# Altium PCB PowerSupply-Motherboard.PcbDoc (part 1 of 2) (continued)
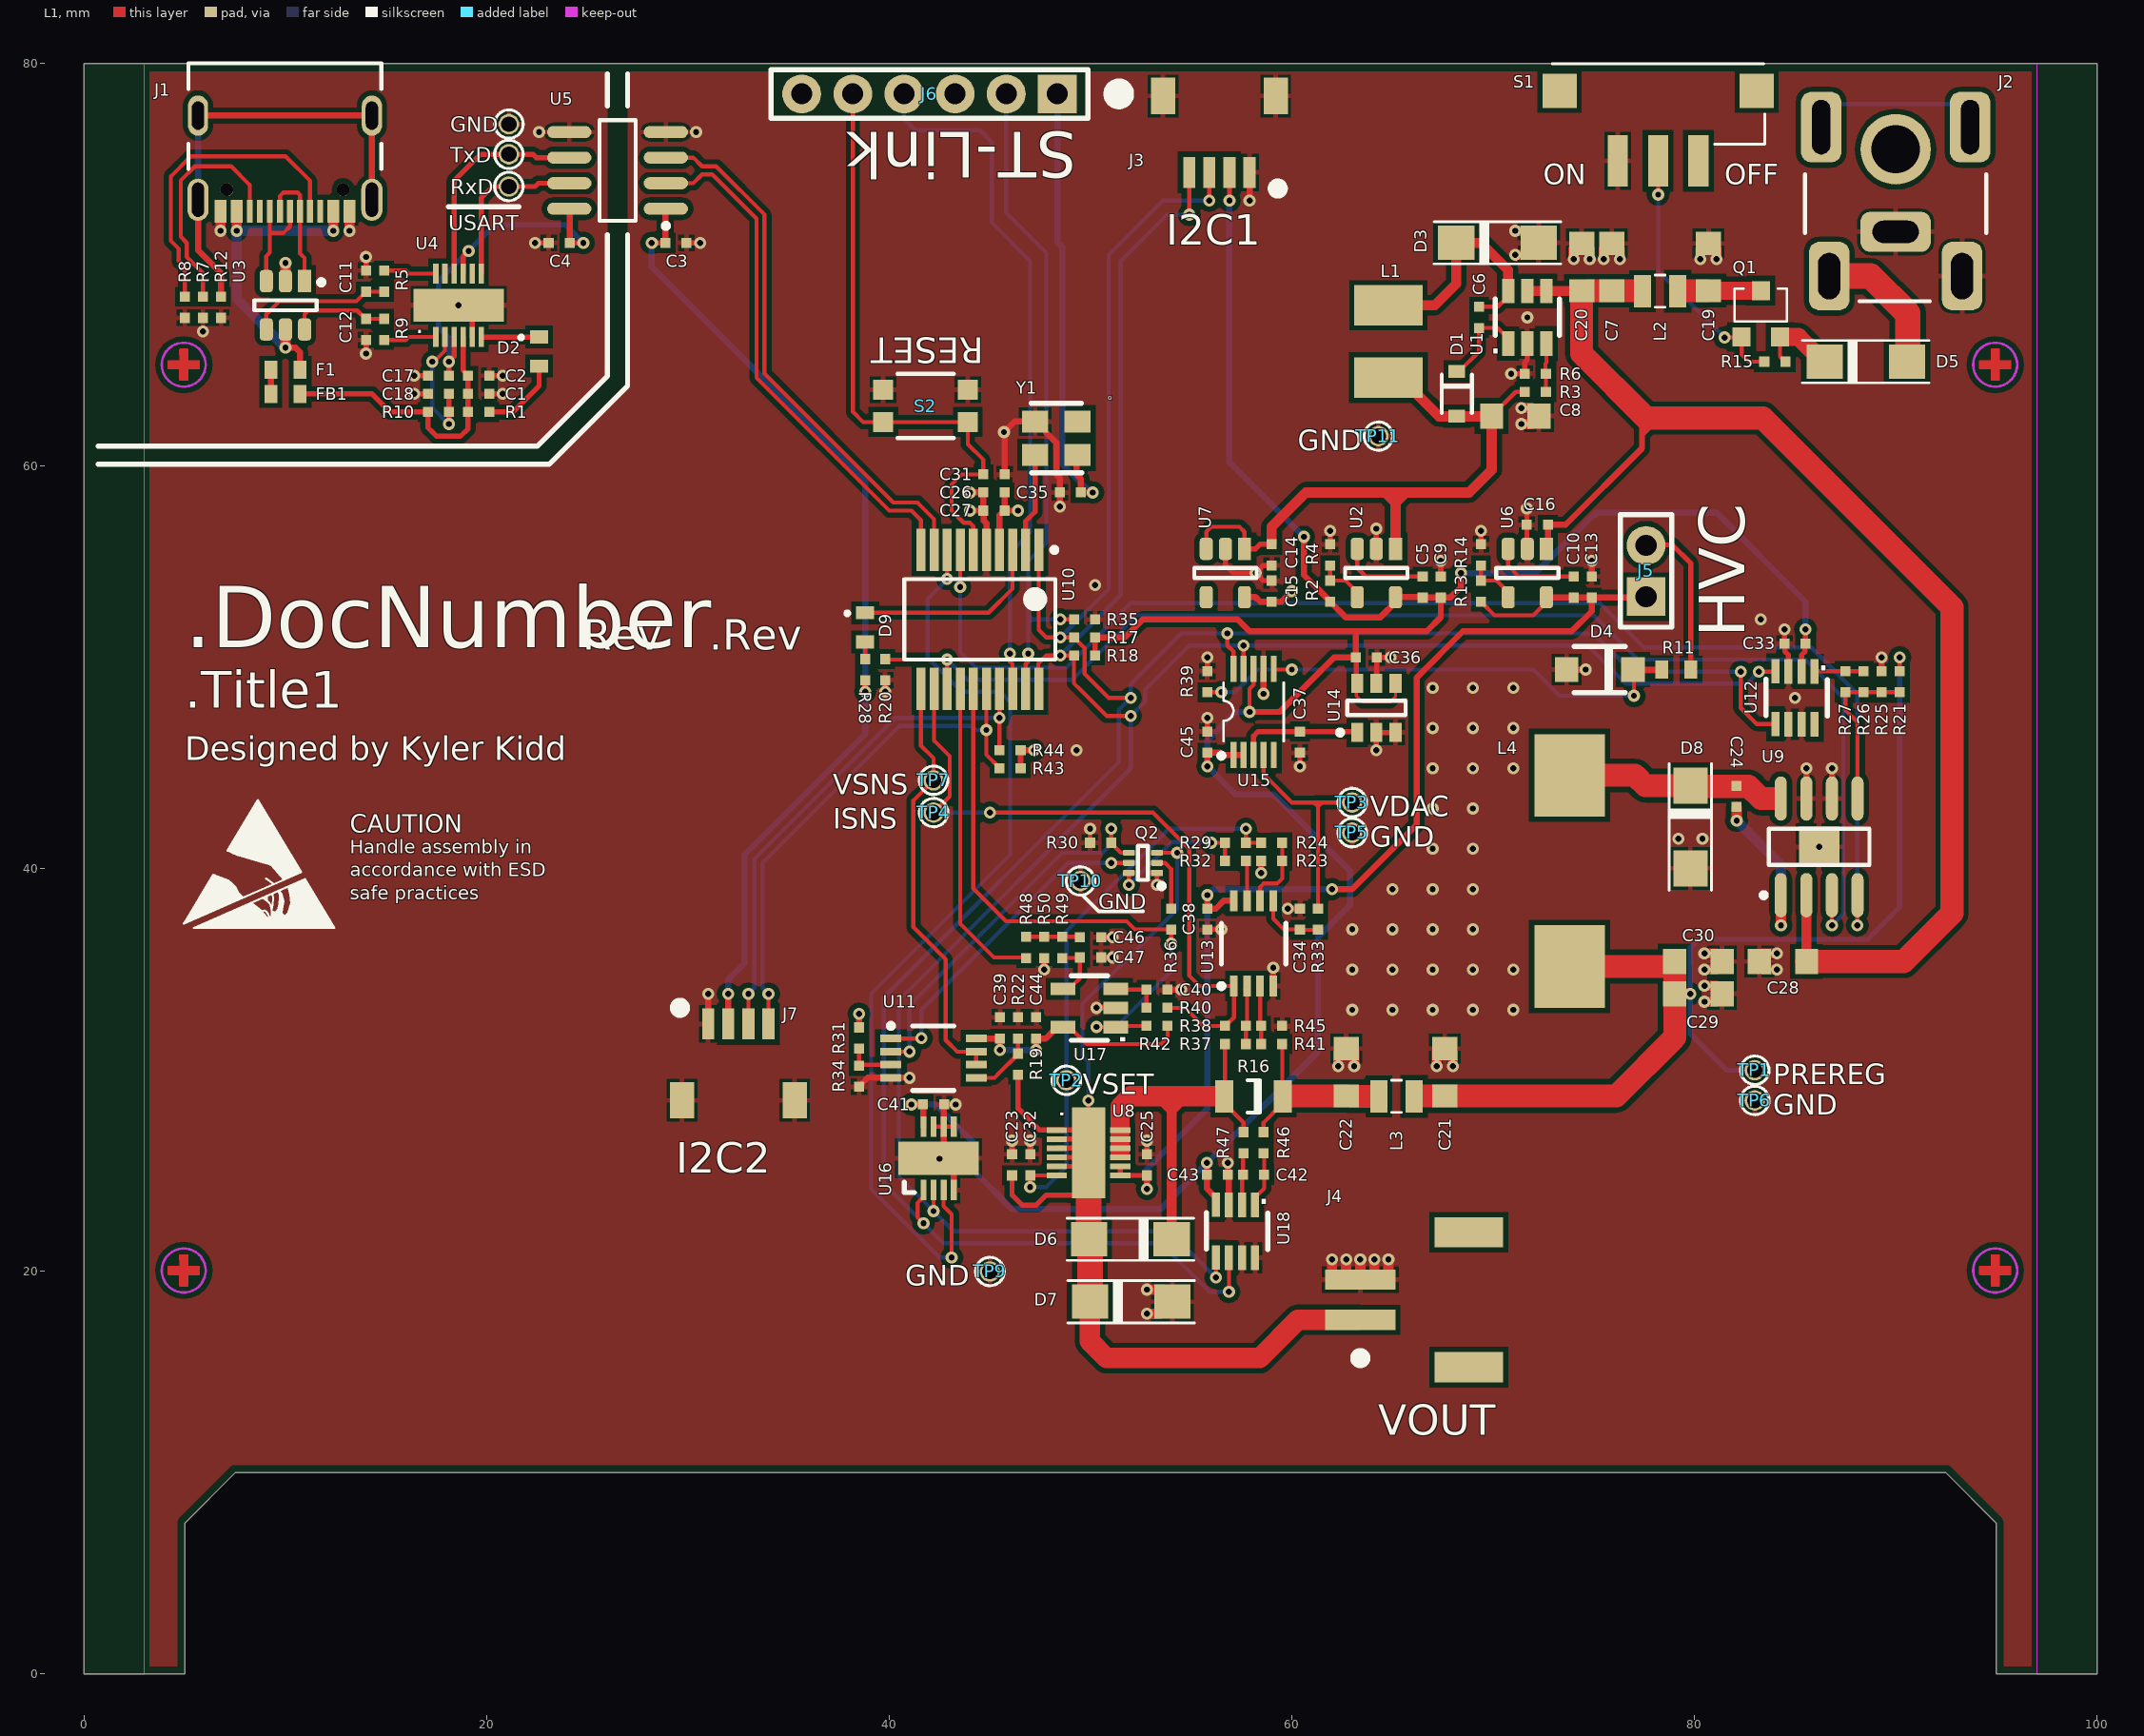
[diagram p0: L1 view]
## Footprints (in the part's own frame and the unit in brackets; to place one, negate y for a bottom-side part, rotate by r counter-clockwise, add the part's x,y. Pads: shape width x height; smd on the part's side, far side on the other; paste and mask are expansions set on the pad) (continued)
TSOT-23-6#2 [mm]
  rect 0.95x0.6 smd mask+0.038: 1(-1.225,0.95) 2(-1.225,0) 3(-1.225,-0.95) 4(1.225,-0.95) 5(1.225,0) 6(1.225,0.95)
  silkscreen extent -1.35,-1.45 0.35,1.92, body extent -1.4,-1.5 1.4,1.5, height 0.86
TSSOP-20 [mm] "Plastic Small Outline"
  rect 2.1x0.45 smd mask+0.038: 1(-3.45,2.925) 2(-3.45,2.275) 3(-3.45,1.625) 4(-3.45,0.975) 5(-3.45,0.325) 6(-3.45,-0.325) 7(-3.45,-0.975) 8(-3.45,-1.625) 9(-3.45,-2.275) 10(-3.45,-2.925) 11(3.45,-2.925) 12(3.45,-2.275) 13(3.45,-1.625) 14(3.45,-0.975) 15(3.45,-0.325) 16(3.45,0.325) 17(3.45,0.975) 18(3.45,1.625) 19(3.45,2.275) 20(3.45,2.925)
  silkscreen extent -3.57,-3.75 2,3.83, body extent -3.95,-3.66 3.95,3.67, height 1.98
TSW-102-xx-L-S [mil] "CONN MALE HEADER 2 POS .100\" T/H GOLD UNSHROUDED"
  rect 76x76 hole 41 mask+1.5: 1(-50,0)
  round 76 hole 41 mask+1.5: 2(50,0)
  silkscreen extent -110,-50 110,50, body extent -100,-50 100,50, height 330
USB4105-GF-A [mm]
  oval 1.05x2.1 hole 0.6 slot 1.7 at 90 deg: 1(-4.295,2.758) 4(4.345,2.758)
  oval 1x2 hole 0.6 slot 1.4 at 90 deg: 2(-4.295,-1.422) 3(4.345,-1.422)
  rect 0.6x1.15 smd: A1_B12(-3.175,3.333) A4_B9(-2.375,3.333) B1_A12(3.225,3.333) B4_A9(2.425,3.333)
  rect 0.3x1.15 smd: A5(-1.225,3.333) A6(-0.225,3.333) A7(0.275,3.333) A8(1.275,3.333) B5(1.775,3.333) B6(0.775,3.333) B7(-0.725,3.333) B8(-1.725,3.333)
  round 0.65 hole 0.65 unplated: ""(-2.865,2.258) ""(2.915,2.258)
  silkscreen extent -4.76,-4.02 4.82,1.23, body extent -4.79,-3.86 4.79,3.86, height 3.31
WURTH_WE-LHMI [mm] "Shield power inductor"
  rect 4.1x3.5 smd mask+0.038: 1(-4.75,0) 2(4.75,0)
  body extent -4.03,-4.06 3.97,3.94, height 4
XFL4020-xxxMEx [mm] "Fixed Inductor 4x4x2mm"
  rect 2x3.4 smd mask+0.038: 1(-1.8,0) 2(1.8,0)
  body extent -2.15,-2.15 2.15,2.15, height 2.08

## Part data
C1 C9 C13 C14 C15 C16 C23 C25 C26 C36: library part CAP, "Multilayer Ceramic Capacitors MLCC - SMD/SMT 2.2UF 25V 10% 0402", Manufacturer="Murata Electronics", Part Number=GRM155R61E225KE11D, Voltage=25V
  C1 C26: ClassName="STM32 MCU"
  C9: ClassName="5.0V Regulator"
  C13 C16: ClassName="Analog VDD"
  C14 C15: ClassName="3.3V Regulator"
  C23 C25 C36: ClassName="Power Supply Output and Control"
C2 C3 C4 C17 C18 C24 C27 C31 C33 C37 C38 C39 C40 C41 C42 C43 C44 C45 C46 C47: library part CAP, "CAP CER 0.1UF 50V X7R 0402", Manufacturer="Taiyo Yuden", Part Number=UMK105B7104KVHF, Voltage=50V
  C2 C3 C4 C17 C18: ClassName="USB to UART PHY"
  C24 C37 C38 C39 C40 C42 C43 C44 C45 C46 C47: ClassName="Power Supply Output and Control"
  C27 C31 C41: ClassName="STM32 MCU"
  C33: ClassName="Output Preregulator"
C5 C6 C10 C32 C35: library part CAP, "CAP CER 0.01UF 100V X7R 0402", Manufacturer="Taiyo Yuden", Part Number=HMR105B7103MV-F, Voltage=100V
  C5: ClassName="5.0V Regulator"
  C6: ClassName="System Power Preregulator"
  C10: ClassName="Analog VDD"
  C32: ClassName="Power Supply Output and Control"
  C35: ClassName="STM32 MCU"
C7 C8 C19 C20 C21 C22 C28 C29 C30: library part CAP, "CAP CER 22UF 25V X5R 0805", Manufacturer="Samsung Electro-Mechanics", Part Number=CL21A226MAYNNNE, Voltage=25V
  C7: ClassName="System Power Preregulator"
  C8: ClassName="5.0V Regulator"
  C19 C20: ClassName="Power Input"
  C21 C22 C29 C30: ClassName="Power Supply Output and Control"
  C28: ClassName="Output Preregulator"
C11 C12: library part CAP, "Multilayer Ceramic Capacitors MLCC - SMD/SMT 50Volt 47pF X7R 0402 10% AEC-Q200", Manufacturer=KEMET, Part Number=C0402C470K5RACAUTO, Voltage=50V, ClassName="USB to UART PHY"
C34: library part CAP, "CAP CER 0.1UF 50V X7R 0603", Manufacturer=KEMET, Part Number=C0603C104K5RAC3121, Voltage=50V, ClassName="Power Supply Output and Control"
D1: library part DIODE, "Diodes - General Purpose, Power, Switching 100V, 0.15A, Switching Diode & Array", Manufacturer="Taiwan Semiconductor", Part Number="1N4148WS-G RVG", ClassName="System Power Preregulator"
D2 D9: library part LED_Red, "Standard LEDs - SMD HE Red 645 nm Water Clear", Manufacturer=Bivar, Part Number=SM0603HCL
  D2: ClassName="USB to UART PHY"
  D9: ClassName="STM32 MCU"
D3 D5 D6 D8: library part DIODE_SCHOTTKY, "DIODE SCHOTTKY 40V 2A SMA", Manufacturer="Diodes Incorporated", Part Number=B240A-13-F
  D3: ClassName="System Power Preregulator"
  D5: ClassName="Power Input"
  D6: ClassName="Power Supply Output and Control"
  D8: ClassName="Output Preregulator"
D4: library part DIODE_ZENER, "DIODE ZENER 7.5V 590MW SOD123", Manufacturer="Nexperia USA Inc.", ClassName=HVC, Part Number=BZT52-B7V5X
D7: library part DIODE_ZENER, "TVS DIODE 12VWM UNI", Manufacturer="Eaton - Electronics Division", ClassName="Power Supply Output and Control", Part Number=SMAJE12AH
F1: library part FUSE, "500mA PTC Fuse", Manufacturer=Bourns, Part Number=MF-FSMF050X-2, ClassName="USB Interface"
FB1: "Ferrite Beads 1000 OHM 25%", Manufacturer="Murata Electronics", Part Number=BLM18AG102SH1D, Rated Current="450mA Max", ClassName="USB Interface", Impedance="1kO at 100MHz"
J1: "USB-C (USB TYPE-C) USB 2.0 Receptacle Connector 24 (16+8 Dummy) Position Surface Mount, Right Angle; Through Hole", Manufacturer=GCT, ClassName="USB Interface", Part Number=USB4105-GF-A
J2: "CON PWR JCK 2.0 X 6.0MM W/SHLD 2.5A", Manufacturer="CUI Inc", ClassName="Power Input", Part Number=PJ-047A
J3 J7: Manufacturer=JST, ClassName="STM32 MCU", Part Number=CCSH-W10R-04TR-BK-A
J5: "CONN MALE HEADER 2 POS .100\" T/H GOLD UNSHROUDED", Manufacturer=Samtec, ClassName=HVC, Part Number=TSW-102-xx-L-S
J6: library part 801-93-006-10-012000, "CONN SOCKET STRIP LOPRO 6POS", Manufacturer=Mill-Max, ClassName="STM32 MCU", Part Number=801-93-006-10-012000
L1: library part SHIELDED_INDUCTOR, "Fixed Inductors 10uH 0.85A 4x4x2.0mm", Manufacturer=TDK, Part Number=VLCF4020T-100MR85, ClassName="System Power Preregulator"
L2 L3: library part SHIELDED_INDUCTOR, "FIXED IND 2.2UH 1.8A 139MOHM SMD", Manufacturer="Samsung Electro-Mechanics", Part Number=CIGT201610LH2R2MNE
  L2: ClassName="Power Input"
  L3: ClassName="Power Supply Output and Control"
L4: library part SHIELDED_INDUCTOR, "FIXED IND 10UH 5.2A 30 MOHM SMD", Manufacturer="Würth Elektronik", Part Number=74437368100, ClassName="Output Preregulator"
Q1: library part MOSFET_P, "MOSFET P-CH 30V 4.3A SOT23", Manufacturer="Diodes Incorporated", ClassName="Power Input", Part Number=DMP3056L-7
Q2: library part NPN_DUAL, "TRANS 2NPN 45V 0.1A SOT666", Manufacturer="Nexperia USA", Part Number=BCM847BV,115, ClassName="Power Supply Output and Control"
R1 R30 R32 R33 R40: library part RES, "Thick Film Resistors - SMD Resistor 0402 1k 1% 63mW TC100", Manufacturer=Bourns, Part Number=CR0402AFX-1001GLF
  R1: ClassName="USB to UART PHY"
  R30 R32 R33 R40: ClassName="Power Supply Output and Control"
R2: library part RES, "Thick Film Resistors - SMD 0402 30.9Kohms 1% AEC-Q200", Manufacturer=Panasonic, Part Number=ERJ-2RKF3092X, ClassName="5.0V Regulator"
R3: library part RES, "Thick Film Resistors - SMD 1/16watt 59K ohms 1% Commercial Use", Manufacturer="Vishay / Dale", Part Number=CRCW040259K0FKEDC, ClassName="System Power Preregulator"
R4 R6 R10 R14 R15 R20 R21 R26 R35 R39 R42 R49 R50: library part RES, "Thick Film Resistors - SMD 10K OHM 1%", Manufacturer=Bourns, Part Number=CR0402-FX-1002GLF
  R4: ClassName="5.0V Regulator"
  R6: ClassName="System Power Preregulator"
  R10: ClassName="USB to UART PHY"
  R14: ClassName="Analog VDD"
  R15: ClassName="Power Input"
  R20 R21 R26: ClassName="Output Preregulator"
  R35: ClassName="STM32 MCU"
  R39 R42 R49 R50: ClassName="Power Supply Output and Control"
R5 R9: library part RES, "Thick Film Resistors - SMD 0402 27.0ohms 1% Tol AEC-Q200", Manufacturer=Panasonic, Part Number=ERJ-2RKF27R0X, ClassName="USB to UART PHY"
R7 R8: library part RES, "Thick Film Resistors - SMD 1/16watt 5.1Kohms 1%", Manufacturer="Vishay / Dale", Part Number=CRCW04025K10FKED, ClassName="USB Interface"
R11: library part RES, "Thick Film Resistors - SMD 510 Ohms 100mW 0603 1%", Manufacturer=YAGEO, Part Number=RC0603FR-07510RL, ClassName=HVC
R12: library part RES, "Thick Film Resistors - SMD 1/16watt 0ohm Commercial Use", Manufacturer="Vishay / Dale", Part Number=CRCW04020000Z0EDC, ClassName="USB Interface"
R13: library part RES, "Thick Film Resistors - SMD 1/16 Watt 113K ohms 1%", Manufacturer="Vishay / Dale", Part Number=CRCW0402113KFKED, ClassName="Analog VDD"
R16: library part RES, "Current Sense Resistors - SMD 500 mOhms 500mW 1 % 75 ppm/C AEC-Q200", Manufacturer=YAGEO, Part Number=PT1206FR-7W0R5L, ClassName="Power Supply Output and Control"
R17 R18 R43 R44: library part RES, "Thick Film Resistors - SMD 0402 2.7Kohms 1% AEC-Q200", Manufacturer=Panasonic, Part Number=ERJ-2RKF2701X, ClassName="STM32 MCU"
R19 R31: library part RES, "Thin Film Resistors - SMD 1/16W 24K ohm 0.1% 25ppm", Manufacturer=YAGEO, Part Number=RT0402BRD0724KL, ClassName="Power Supply Output and Control"
R22: library part RES, "Thin Film Resistors - SMD 0402 1/16W 9.1Kohms", Manufacturer=Panasonic, Part Number=ERA-2AEB912X, ClassName="Power Supply Output and Control"
R23 R34: library part RES, "Thin Film Resistors - SMD 0402 10.2Kohms 0.1% .063W 15ppm AEC-Q200", Manufacturer=Panasonic, Part Number=ERA-2APB1022X, ClassName="Power Supply Output and Control"
R24 R37 R38 R41 R45: library part RES, "Thin Film Resistors - SMD 0402 1/16W 51Kohms 0.1%", Manufacturer=Panasonic, Part Number=ERA-2AEB513X, ClassName="Power Supply Output and Control"
R25: library part RES, "Thick Film Resistors - SMD 0402 1% 6.34Kohm Anti-Sulfur AEC-Q200", Manufacturer=Panasonic, Part Number=ERJ-U02F6341X, ClassName="Output Preregulator"
R27: library part RES, "Thick Film Resistors - SMD 680 OHM 1%", Manufacturer=Bourns, Part Number=CR0402-FX-6800GLF, ClassName="Output Preregulator"
R28 R36: library part RES, "Thick Film Resistors - SMD ResA 0402 1k 1% 63mW TC100", Manufacturer=Bourns, Part Number=CR0402AFX-1001GLF
  R28: ClassName="STM32 MCU"
  R36: ClassName="Power Supply Output and Control"
R29: library part RES, "Thick Film Resistors - SMD 0402 100ohms 1% AEC-Q200", Manufacturer=Panasonic, Part Number=ERJ-2RKF1000X, ClassName="Power Supply Output and Control"
R46 R47: library part RES, "Thick Film Resistors - SMD 0402 10ohm 1% Anti Surge AEC-Q200", Manufacturer="ROHM Semiconductor", Part Number=ESR01MZPF10R0, ClassName="Power Supply Output and Control"
R48: library part RES, "Thick Film Resistors - SMD 56K OHM 1%", Manufacturer=Bourns, Part Number=CR0402-FX-5602GLF, ClassName="Power Supply Output and Control"
S1: "Slide Switch SPDT Surface Mount, Right Angle", Manufacturer="NKK Switches", ClassName="Power Input", Part Number=SS312SAH4-R
S2: library part "KMR 2 Series", "Tactile Switch SPST-NO Top Actuated Surface Mount", Manufacturer=C&K, Part Number=KMR243GFLG, ClassName="STM32 MCU"
TP1 TP2 TP3 TP4 TP5 TP6 TP7 TP9 TP10 TP11: library part "TEST POINT", ClassName="Power Supply Output and Control"
U1: "IC REG BUCK ADJ 1A TSOT23-6", Manufacturer="Texas Instruments", Part Number=LMR12010XMKE/NOPB, ClassName="System Power Preregulator"
U2 U6: library part LT1761ES5-BYP#TRMPBF, "IC REG LDO ADJ 0.1A TSOT23-5", Manufacturer="Linear Technology", Part Number=LT1761ES5-BYP#TRMPBF
  U2: ClassName="5.0V Regulator"
  U6: ClassName="Analog VDD"
U3: library part USBLC6-2SC6, "IC ESD PROTECTION LO CAP SOT23-6", Manufacturer=STMicroelectronics, ClassName="USB Interface", Part Number=USBLC6-2SC6
U4: "IC USB SERIAL BASIC UART 12DFN", Manufacturer=FTDI, Part Number=FT234XD-R, ClassName="USB to UART PHY"
U5: "2-CH 3KVRMS DIGITAL ISOLATOR", Manufacturer="Maxim Integrated", Part Number=MAX22421BASA+, ClassName="USB to UART PHY"
U7: library part ADP122AxxZ-xxx-R7, "IC REG LINEAR 3.3V 150MA TSOT5", Manufacturer="Analog Devices", ClassName="3.3V Regulator", Part Number=ADP121AUJZ-3.3-R7
U8: "Linear Voltage Regulator IC Positive Adjustable 1 Output 3A 12-DFN (4x4)", Manufacturer="Analog Devices Inc.", Part Number=LT3083EDF#PBF, ClassName="Power Supply Output and Control"
U9: "IC REG BUCK ADJUSTABLE 3A 8SOIC", Manufacturer="Analog Devices Inc.", Part Number=ADP2303ARDZ
U10: "IC MCU 32BIT 32KB FLASH 20TSSOP", Manufacturer=STMicroelectronics, ClassName="STM32 MCU", Part Number=STM32G031F6P6
U11: library part AD8072, "IC OPAMP GP 2 CIRCUIT 8MSOP", Manufacturer="Microchip Technology", Part Number=MCP6L2T-E/MS, ClassName="Power Supply Output and Control"
U12: "Digital Potentiometer 10k Ohm 1 Circuit 256 Taps I²C Interface SOT-23-8", Manufacturer="Analog Devices Inc.", Part Number=AD5245BRJZ10-R2, ClassName="Output Preregulator"
U13: library part AD8072, "IC CMOS 2 CIRCUIT 8MSOP", Manufacturer="Analog Devices Inc.", Part Number=ADA4661-2ARMZ-R7, ClassName="Power Supply Output and Control"
U14: library part MCP1501, "IC VREF SERIES 0.1% SOT23-6", Manufacturer="Microchip Technology", Part Number=MCP1501T-20E/CHY, ClassName="Power Supply Output and Control"
U15: "IC DAC 12BIT V-OUT 10MSOP", Manufacturer="Microchip Technology", Part Number=MCP47CVB21-E/UN, ClassName="Power Supply Output and Control"
U16: "SENSOR DIGITAL -40C-125C 8DFN", Manufacturer="Microchip Technology", Part Number=MCP9804T-E/MC, ClassName="STM32 MCU"
U17: "IC COMP 1.6V SGL O-D SOT23-5", Manufacturer="Microchip Technology", Part Number=MCP6546T-E/OT, ClassName="Power Supply Output and Control"
U18: "Current Monitor Regulator High-Side 10mA SOT-23-8", Manufacturer="Texas Instruments", Part Number=INA219AIDCNR, ClassName="Power Supply Output and Control"
Y1: library part ASE-XXXXX-MHZ-X-X, "OSC XO 12.000MHZ CMOS SMD", Manufacturer=Abracon, ClassName="STM32 MCU", Part Number=ASE-12.000-MHZ-E-T
J4: ClassName="Power Supply Output and Control"

## Free pads (board coordinates)
  round 1.016 hole 0.762: 1(21.1,73.9) 1(21.1,75.5) 1(21.1,77)

## Via types
v1: diameter 0.6, hole 0.3, L1 to L4, tented both sides, 202 vias

## Nets (pads, with @x,y where several pads share a name; then routed paths per layer and width w, separated by ;. In a path a pad name is that pad's centre, name@x,y a point inside that pad or via, vN(x,y) a via of type N, cw(c..) or ccw(c..) an arc to the next point about the centre after c; other vN are vias at no path point)
+3.3V: C3.2 C15.2 C26.2 C27.2 C35.2 C39.2 C44.2 J6.1 J7.2 R28.2 R31.2 R42.2 R43.2 R44.2 U5.1 U7.5 U10.4 U11.8 U17.5 Y1.4 | length 158.9
  L1 w0.203: U17.5@48.96,32.14 49.8,31.3 53.5,31.3 53.825,31.625 53.825,32.125 R42.2@53.9,32.2
  L1 w0.254: v1(28.2,71.1) 28.7,71.1 C3.2@28.8,71.2
  L1 w0.305: C3.2@28.875,71.1 28.875,72.775 U5.1@28.9,72.8 ; v1(32,33.8) 32,32.7 J7.2@32.1,32.6 ; R31.2@38.5,32.125 v1(38.5,32.8) ; v1(38.8,48.8) R28.2@38.8,49.3 ; U11.8@44.32,31.575 45.475,31.575 45.5,31.6 C39.2@45.5,31.575 v1(45.5,31) ; U10.4@45.475,55.85 45.475,57.575 C27.2@45.7,57.8 ; C26.2@45.8,58.7 45.725,58.625 C27.2@45.725,57.8 v1@46.2,57.8 ; R43.2@46.525,45 R44.2@46.525,45.9 v1(47.2,45.9) ; C44.2@47.2,31.5 47.3,31.4 v1(47.3,31) ; C44.2@47.3,31.575 47.775,31.575 U17.5@48.3,32.1 ; U17.5@48.63,32.14 U17.5@48.96,32.14 ; Y1.4@49.3,60.7 49.3,59.6 49.525,59.375 C35.2@49.525,58.7 v1(50.1,58.7) ; R42.2@53.825,32.125 R42.2@53.825,32.2 ; U7.5@57.65,53.5 58.2,53.5 58.425,53.275 C15.2@59,53.275 59.475,53.275 v1(60,53.8)
  L3 w0.305: 40.3,45.6 40.3,46.2 ; v1(45.5,31) 43.7,32.8 v1(38.5,32.8) 38.5,43.8 40.6,45.9 ; v1(47.2,45.9) 40.6,45.9 ; v1(50.1,58.7) 47.3,58.7 v1(46.4,57.8) ; v1(60,53.8) 60,55.6 59.1,56.5 47.7,56.5 v1(46.4,57.8) ; 40.6,45.9 38.8,47.7 v1(38.8,48.8) 38.8,53.5 41.9,56.6 45.2,56.6 v1(46.4,57.8)
  L4 w0.305: v1(28.2,71.1) 28.2,69.9 38.8,59.3 v1(38.8,48.8) ; v1(32,33.8) 32,34.5 32.8,35.3 32.8,40.7 38.8,46.7 v1@38.8,48.7 ; v1(45.5,31) 47.2,31 v1@47.3,30.9 ; J6.1@48.35,78.5 48.35,71.15 48.6,70.9 48.6,60.1 v1@50.1,58.6
+3.3VB: C4.2 C17.2 U4.3 U4.9 U5.8 | length 18.4
  L1 w0.254: C17.2@18.1,64.6 18.125,64.625 v1(18.125,65.2) ; v1@18.2,65.3 18.375,65.475 U4.3@18.375,66.425 ; U4.9@18.825,69.575 18.825,70.425 v1(19.1,70.7) ; C4.2@24.125,71.1 v1@24.7,71.1
  L1 w0.305: U5.8@24.1,72.9 24.125,72.875 C4.2@24.125,71.1
  L4 w0.254: v1(18.125,65.2) 18.125,66.375 17.6,66.9 17.6,69.2 v1(19.1,70.7) 20.4,72 23.9,72 v1(24.8,71.1)
+5.0V: C5.1 C9.2 C33.2 C36.2 C41.2 C43.2 C45.2 J3.2 R2.2 R17.2 R18.2 U2.5 U12.2 U14.4 U14.6 U15.1 U15.2 U15.8 U16.8 U18.4 | length 144.6
  L1 w0.152: U14.6@63.2,49 63.2,48.6 63.5,48.3 64.9,48.3 65.15,48.55 U14.4@65.15,49.225
  L1 w0.203: v1@58,47.9 57.9,48 57.9,48.948 58.1,49.148 U15.8@58.1,49.95 ; R2.2@61.787,53.388 R2.2@61.9,53.275 ; U2.5@65.2,53.3 U2.5@65.2,53.4
  L1 w0.254: R18.2@50.225,50.625 R17.2@50.225,51.5 ; J3.2@56.875,74.45 56.9,74.425 v1(56.9,73.2) ; U14.6@63.2,49.2 C36.2@63.2,50.475 ; U12.2@85.324,49.81 85.325,50.625 85.5,50.8 C33.2@85.5,51.2 ; v1@85.5,51.8 85.525,51.775 C33.2@85.525,51.2 ; v1@85.5,51.9 v1(85.525,51.9) v1@85.6,51.9
  L1 w0.305: v1(41.1,28.3) C41.2@41.6,28.3 ; U16.8@41.7,27.2 C41.2@41.7,28.3 ; R17.2@50.3,51.5 51.7,51.5 52.6,52.4 57.3,52.4 57.9,51.8 63.2,51.8 ; v1@55.775,25.275 C43.2@55.775,24.8 55.775,24.125 U18.4@56.1,23.8 ; v1(55.8,45.1) C45.2@55.8,45.775 56.425,45.775 56.55,45.65 U15.1@57.1,45.65 ; U15.1@57.15,45.65 U15.2@57.6,45.65 ; v1(57.9,47.8) 59.4,47.8 62.1,50.5 C36.2@63.1,50.5 ; v1(60.6,56.5) 60.6,54.6 R2.2@61.8,53.4 ; R2.2@61.9,53.275 62.675,52.5 64.4,52.5 U2.5@65.2,53.3 ; C36.2@63.2,50.475 C36.2@63.175,50.5 C36.2@63.1,50.5 ; U2.5@65.15,53.5 C5.1@66.5,53.5 ; C5.1@66.5,53.475 67.375,53.475 67.4,53.5 C9.2@67.4,53.475 ; v1(68.4,54.7) 68.4,54 67.875,53.475 C9.2@67.4,53.475 ; C36.2@63.1,50.5 63.175,50.575 63.175,51.775 63.2,51.8 ; 63.2,51.8 66.7,51.8 67.4,52.5 C9.2@67.4,53.475
  L4 w0.305: v1(41.1,28.3) 42.3,28.3 44.2,26.4 44.2,25 46.1,23.1 53.475,23.1 v1(55.775,25.4) 61.3,30.925 61.3,36.6 62.9,38.2 62.9,39.9 59.1,43.7 57.2,43.7 v1(55.8,45.1) 55.8,46.4 57.2,47.8 v1(57.9,47.8) ; v1(56.9,73.2) 56.9,60.2 v1(60.6,56.5) ; v1(68.4,54.7) 72.1,54.7 75.1,57.7 ; 75.1,57.6 75.2,57.7 81.1,57.7 85.525,53.275 v1(85.525,51.9)
+5.5V: C8.2 C14.2 D1.1 L1.2 R3.2 U2.1 U7.1 U7.3 | length 32.3
  L1 w0.203: U7.3@55.75,55.9 55.75,56.75 56,57 57.4,57 57.65,56.75 U7.1@57.65,55.9 U7.1@57.7,55.95 ; C8.2@69.925,62.5 71.125,63.7 R3.2@71.575,63.7 R3.2@71.6,63.7
  L1 w0.254: U7.1@57.7,55.9 58.2,55.9 58.425,56.125 C14.2@59,56.125
  L1 w0.508: C14.2@59,56.2 59,57 60.7,58.7 65.15,58.7 ; 64.65,58.7 65.15,58.2 65.65,58.7 ; U2.1@65.15,55.9 65.15,58.7 ; L1.2@66.1,63.7 67.315,62.485 D1.1@68.2,62.485 C8.2@69.925,62.485 ; 69.5,59.4 69.925,59.825 ; C8.2@69.925,62.5 C8.2@69.925,62.485 ; C8.2@70.1,62.5 70.085,62.485 C8.2@69.925,62.485 ; 65.15,58.7 68.8,58.7 69.925,59.825 ; 69.925,59.825 C8.2@69.925,62.485
+15.0V: C10.1 C13.2 C25.2 C38.2 J5.1 R13.2 U6.5 U8.7 U8.8 U13.8 | length 59.2
  L1 w0.203: R13.2@69.4,53.275 70.075,52.6 72,52.6 72.6,53.2 U6.5@72.6,53.3
  L1 w0.254: U8.8@51.475,25.2 U8.7@51.475,24.775 C25.2@52.8,24.775
  L1 w0.305: v1(52.8,24.1) C25.2@52.8,24.775 C25.2@52.8,24.8 ; C38.2@55.7,38 55.8,38.1 v1(55.8,38.7) ; C38.2@55.8,38.025 56.225,38.025 56.62,38.42 U13.8@57.125,38.42 ; v1(62,39) 63,39 66.2,42.2 66.2,49.5 68.5,51.8 73.9,51.8 74.9,52.8 C13.2@74.9,53.4 ; U6.5@72.625,53.475 C10.1@74,53.475 74.875,53.475 C13.2@74.9,53.5 ; C13.2@74.9,53.475 77.575,53.475 J5.1@77.6,53.5
  L4 w0.305: v1(52.8,24.1) 52.8,25.1 55.8,28.1 v1(55.8,38.7) 56.1,39 v1(62,39)
+HVC: J5.2 R11.2 | length 7.8
  L1 w0.254: J5.2@77.8,56.2 77.9,56.1 78.9,56.1 79.825,55.175 R11.2@79.825,49.9 R11.2@79.8,49.925
+VEXT: D5.1 J2.1 | length 7.1
  L1 w1.27: J2.1@86.7,69.45 88.75,69.45 90.6,67.6 D5.1@90.6,65.2
CS+: C22.2 L3.2 R16.1 R41.1 R46.1 | length 8
  L1 w0.203: R46.1@58.6,26.925 58.6,27.4 R16.1@59.4,28.2 ; R16.1@59.525,29.125 R41.1@59.525,31.3 ; R16.1@59.6,28.9 R16.1@59.7,28.9
  L1 w1.143: R16.1@59.725,28.725 C22.2@62.7,28.725 ; C22.2@62.9,28.7 L3.2@64,28.7
CS-: D6.2 R16.2 R37.1 R47.1 U8.9 U8.10 U8.11 U8.12 | length 17.3
  L1 w0.203: R16.2@56.675,28.925 R16.2@56.7,28.9 ; R37.1@56.675,31.3 56.675,29.125 R16.2@56.7,29.1 ; R16.2@56.9,28.1 57.6,27.4 R47.1@57.6,26.925
  L1 w0.508: 53.6,28.5 53.6,28.432 54.032,28 54.6,28.568 54.6,28.6 ; D6.2@54.032,21.6 54.032,28.532 54.1,28.6
  L1 w1.016: 51.5,28.2 52,28.7 ; 52.2,28.7 R16.2@56.55,28.7
"DAC OUT": R33.1 TP3.1 U15.4 | length 11.6
  L1 w0.203: U15.4@58.6,45.5 58.6,44.7 60,43.3 61.3,43.3 ; 61.1,43.3 61.3,43.1 61.5,43.3 ; R33.1@61.3,38.025 61.3,43.3 ; TP3.1@63,43.3 61.3,43.3
EARTH: C1.1 C2.1 C4.1 C11.1 C12.1 C17.1 C18.1 J1.A1_B12 J1.B1_A12 pad.1@21.1,77 R7.1 R8.1 R12.1 U3.2 U4.5 U4.13 U5.5 | length 8.6
  L1 w0.254: v1(14,65.6) C12.1@14,66.275 C12.1@14,66.3 ; C11.1@14,69.8 v1(14,70.4) ; v1(16.4,63.6) C18.1@17,63.6 ; v1(16.4,64.5) C17.1@17.075,64.5 C17.1@17.1,64.5 ; U4.13@19.2,67.7 19.275,67.625 U4.5@19.275,66.425 ; C1.1@20.125,63.6 v1(20.8,63.6) ; C2.1@20.125,64.5 v1@20.7,64.5 ; v1(22.4,71.1) C4.1@23,71.1
  L1 w0.508: J1.B1_A12@6.775,72.667 6.775,71.725 v1@6.8,71.7 ; U3.2@10,69.2 v1(10,70.1) ; J1.A1_B12@13.175,72.667 13.175,71.725 v1@13.2,71.7
  other v1: 20.8,64.5 5.9,66.7 18.6,68 6.775,71.7 13.175,71.7 22.6,76.6
EXT_SCL: J7.4 R43.1 U10.16 | length 26.1
  L1 w0.203: J7.4@34,32.6 v1(34,33.8) ; v1@44.8,46.9 44.825,46.925 U10.16@44.825,48.95 ; v1(44.825,46.9) 44.825,45.675 R43.1@45.5,45
  L4 w0.203: v1(34,33.8) 33.7,34.1 33.7,40.3 36.1,42.7 40.5,47.1 44.1,47.1 44.3,46.9 v1(44.825,46.9)
EXT_SDA: J7.3 R44.1 U10.17 | length 26.6
  L1 w0.203: J7.3@32.9,32.2 J7.3@33,32.3 v1(33,33.8) ; R44.1@45.4,45.9 45.475,45.975 v1(45.475,47.5) ; U10.17@45.475,48.95 45.475,47.525 v1@45.5,47.5
  L4 w0.203: v1(33,33.8) 33.3,34.1 33.3,40.5 35.3,42.5 40.3,47.5 v1(45.475,47.5)
GND: C3.1 C7.1 C8.1 C9.1 C13.1 C14.1 C15.1 C16.1 C19.1 C20.1 C21.1 C22.1 C23.1 C25.1 C26.1 C27.1 C28.1 C29.1 C30.1 C31.1 C32.1 C33.1 C34.1 C35.1 C36.1 C37.1 C38.1 C39.1 C40.1 C41.1 C43.1 C44.1 C45.1 C46.1 C47.1 D3.1 D4.1 D7.1 D8.1 J2.2 J2.3 J3.1 J3.S1 J3.S2 J4.2 J6.3 J7.1 J7.S1 J7.S2 Q2.1 R4.1 R6.1 R14.1 R20.1 R22.1 R23.1 R25.1 R30.1 R34.1 R35.2 R39.1 R45.1 R50.1 S1.1 S2.2 TP5.1 TP6.1 TP9.1 TP10.1 TP11.1 U1.2 U2.2 U5.4 U6.2 U7.2 U9.6 U9.7 U9.9 U10.5 U11.4 U12.3 U12.6 U12.7 U13.4 U14.2 U14.3 U14.5 U15.7 U16.4 U16.5 U16.6 U16.7 U16.9 U17.2 U18.3 U18.7 U18.8 Y1.2 | length 83.9
  L1 w0.203: U16.7@42.2,27.2 U16.6@42.6,27.2 ; U16.6@42.7,27.2 U16.5@43.2,27.2 ; v1(49.975,42) 49.975,41.325 R30.1@50,41.3 ; v1(53.3,39.2) Q2.1@53.3,39.8 ; v1@59.075,35.075 v1@59.1,35.1 ; C34.1@60.3,38.125 C34.1@60.4,38.025 C34.1@60.4,38
  L1 w0.254: C3.1@29.925,71.1 v1@30.5,71.1 ; C25.1@52.8,25.825 v1@52.8,26.4 ; C38.1@55.8,37 v1(56.5,37) ; C45.1@55.8,46.825 v1(55.8,47.5) ; R39.1@55.8,49.825 v1(55.8,50.5) ; U7.2@56.7,55.8 56.7,55.1 57.1,54.7 v1(58.2,54.7) ; C15.1@59,54.325 58.575,54.325 v1(58.2,54.7) ; C14.1@59,55.075 58.575,55.075 v1(58.2,54.7) ; v1@60.4,45.2 C37.1@60.4,45.775 ; R4.1@61.9,56.125 v1(61.9,56.8) ; U14.2@64.1,46.7 64.175,46.775 U14.2@64.2,46.775 ; v1(64.2,45.9) U14.2@64.2,46.775 ; U14.5@64.2,49.4 64.225,49.425 C36.1@64.225,50.5 ; U2.2@64.2,55.9 v1(64.2,56.9) ; C36.1@64.3,50.4 64.4,50.5 v1(64.9,50.5) ; U14.3@65.15,46.775 U14.2@64.2,46.775 ; R14.1@69.4,56.125 v1@69.4,56.7 ; v1@70.9,64.5 71,64.6 R6.1@71.575,64.6 71.575,65.175 71.7,65.3 U1.2@71.7,66.09 ; U6.2@71.6,55.9 71.675,55.975 C16.1@71.675,57.1 71.675,57.725 v1@71.6,57.8 ; v1@71.675,57.875 v1@71.7,57.9 ; C33.1@84.475,51.2 84.475,51.775 v1@84.5,51.8 ; C33.1@84.5,51.3 84.5,50.8 84.675,50.625 U12.3@84.675,49.81
  L1 w0.305: J7.1@31,32 v1(31,33.8) ; R34.1@38.4,29.1 38.925,29.625 U11.4@40.08,29.625 40.975,29.625 v1@41,29.6 ; R20.1@39.7,49.3 39.8,49.2 v1(39.8,48.8) ; U16.9@42.7,26.2 U16.6@42.7,27.2 C41.1@42.7,28.4 ; C41.1@42.725,28.3 v1(43.3,28.3) ; U16.4@43.2,24.05 U16.9@43.2,25.1 ; v1(44,57.8) C27.1@44.6,57.8 ; v1(44,58.7) C26.1@44.6,58.7 ; C27.1@44.675,57.8 44.675,58.675 C26.1@44.7,58.7 ; C27.1@44.7,57.8 44.7,57.3 44.825,57.175 U10.5@44.825,55.85 U10.5@44.8,55.875 ; C31.1@45.725,59.6 45.725,61.675 v1(45.7,61.7) 46.225,62.225 Y1.2@47.246,62.225 48.3,61.171 48.3,59.6 48.475,59.425 C35.1@48.475,58.7 C35.1@48.487,58.687 ; C23.1@46.1,25.9 v1(46.1,26.5) ; C32.1@47,25.825 v1(47,26.5) ; v1(47.7,35) R50.1@47.7,35.575 R50.1@47.7,35.6 ; v1(48.475,58) 48.475,58.675 C35.1@48.487,58.687 ; C35.1@48.5,58.7 C35.1@48.487,58.687 ; v1(50.3,33.1) U17.2@50.9,33.1 ; C47.1@50.525,35.6 v1@51,35.6 ; C46.1@50.525,36.6 v1@51,36.6 ; C40.1@53.825,34 v1@54.4,34 ; C43.1@56.8,24.8 56.875,24.725 U18.3@56.875,23.31 ; v1@56.8,25.4 56.825,25.375 C43.1@56.825,24.8 ; v1@57.9,73.25 J3.1@57.9,74.6 ; v1(58.475,39.8) 58.475,40.375 R23.1@58.5,40.4 ; v1(58.6,48.7) U15.7@58.6,49.9 ; U13.4@59.075,34.18 v1@59.075,35.075 ; v1(59.8,38.025) 60.375,38.025 C34.1@60.4,38 ; C9.1@67.4,54.525 v1(67.4,55.3) ; D4.1@73.649,49.9 v1@74.5,49.9 ; C13.1@74.9,54.525 v1(74.9,55.3) ; v1(85.565,45) U9.7@85.565,43.496 85.565,43.335 U9.7@85.7,43.2 ; v1(86.835,45) 86.835,43.665 U9.6@86.9,43.6 ; R25.1@89.3,49.825 v1@89.3,50.4
  L1 w0.508: v1(52.8,17.9) D7.1@53.5,17.9 ; v1(52.8,19.1) 53.6,19.1 D7.1@53.8,18.9 ; J4.2@62,19.7 v1(62,20.6) ; v1(62.3,30.2) 62.3,30.9 C22.1@62.4,31 ; J4.2@62.7,19.7 v1(62.7,20.6) ; C22.1@63,31 63.1,30.9 v1(63.1,30.2) ; J4.2@63.4,19.8 v1(63.4,20.6) ; J4.2@64.1,19.8 v1(64.1,20.6) ; J4.2@64.8,19.9 v1(64.8,20.6) ; v1(67.2,30.2) C21.1@67.2,30.8 ; C21.1@67.3,31 67.2,30.9 C21.1@67.2,30.8 ; C21.1@67.5,31.1 C21.1@67.2,30.8 ; C21.1@67.8,31.1 68,30.9 v1(68,30.2) ; v1(71.1,70.5) 71.7,70.5 D3.1@71.8,70.6 ; v1(71.1,71.7) D3.1@71.7,71.7 ; v1(71.4,62.1) 71.9,62.1 C8.1@72.1,62.3 ; v1(71.4,62.9) 71.9,62.9 C8.1@72.2,62.6 ; D3.1@71.8,71.7 D3.1@72,71.5 ; v1(74,70.3) 74,70.8 C20.1@74.2,71 ; C20.1@74.5,71.1 74.8,70.8 v1(74.8,70.3) ; v1(75.5,70.3) 75.5,70.8 C7.1@75.8,71.1 ; C7.1@76.1,71 76.3,70.8 v1(76.3,70.3) ; v1(80.3,70.3) 80.3,70.8 C19.1@80.4,70.9 ; v1(80.5,33.4) C29.1@81.1,33.4 ; v1(80.5,34.2) 81.1,34.2 C29.1@81.2,34.1 ; v1(80.5,35) C30.1@81.1,35 ; v1(80.5,35.8) 81.1,35.8 C30.1@81.2,35.7 ; v1(81.1,70.3) C19.1@81.1,70.8 ; C28.1@83.3,35.2 83.3,35.1 83.4,35 v1(84.1,35) ; C28.1@83.3,35.7 83.4,35.8 v1(84.1,35.8)
  other v1: 56.825,25.4 42.5,25.6 52.8,26.5 41,29.625 63,33 65,33 67,33 69,33 71,33 54.5,34 63,35 65,35 67,35 69,35 71,35 59.075,35.1 51.1,35.6 51.1,36.6 63,37 65,37 67,37 69,37 65,39 67,39 69,39 67,41 69,41 86.2,41.1 79.2,41.5 80.4,41.5 67,43 69,43 67,45 69,45 71,45 60.4,45.1 49.3,45.9 67,47 69,47 71,47 85,48.5 67,49 69,49 71,49 74.6,49.9 89.3,50.5 84.475,51.9 83.3,52.4 50.225,54.1 69.4,56.8 71.675,57.9 70.9,64.6 71.7,67.4 30.6,71.1 57.9,73.2 30.4,76.6
HVC: D4.2 R11.1 R39.2 U15.6 | length 25.7
  L1 w0.203: R39.2@55.8,48.775 56.375,48.775 v1@56.4,48.8 ; U15.6@59.1,49.7 U15.6@59.129,49.671 ; U15.6@59.1,49.9 v1(60,49.9) ; v1(77,48.6) D4.2@77,49.9
  L1 w0.305: D4.2@77,49.9 78.2,49.9 R11.1@78.3,50
  L4 w0.203: v1(56.5,48.775) 57.175,48.775 58.3,49.9 v1(60,49.9) 72,49.9 73.3,48.6 v1(77,48.6)
I_LOAD: R31.1 R34.2 U11.3 | length 2.5
  L1 w0.203: R34.2@38.5,30.2 38.575,30.275 U11.3@40.08,30.275 ; R34.2@38.5,30.225 R31.1@38.5,31.075 R31.1@38.5,31.1
ICLAMP: R36.1 R42.1 U10.15 U17.1 | length 29.6
  L1 w0.203: U10.15@44.175,48.95 44.175,39.025 45.8,37.4 51.8,37.4 52.2,37 R36.1@54,37 ; v1(50.3,32.15) 51.05,32.15 U17.1@51.1,32.1 ; U17.1@51.5,32.3 51.6,32.2 R42.1@52.775,32.2 ; v1(54,36.3) R36.1@54,36.9
  L4 w0.203: v1(50.3,32.15) 51.25,32.15 54,34.9 v1(54,36.3)
ILIM: R48.1 U10.14 | length 15.6
  L1 w0.203: U10.14@43.525,48.95 43.525,37.275 45.2,35.6 R48.1@46.8,35.6
ISENSE: R38.2 R40.1 TP4.1 U10.12 U13.1 | length 34.1
  L1 w0.203: TP4.1@42.2,42.8 43,43.6 43,45.6 42.225,46.375 U10.12@42.225,48.95 ; v1(45,42.8) 53.1,42.8 54.9,41 54.9,34.7 55.42,34.18 U13.1@57.125,34.18 57.125,32.625 R38.2@56.8,32.3 ; R40.1@53.825,33.1 54.7,33.1 55.6,32.2 R38.2@56.675,32.2
  L4 w0.203: TP4.1@42.2,42.8 v1@44.9,42.8
MCU_RXD: U5.2 U10.10 | length 26.1
  L1 w0.203: U5.2@28.9,74.065 30.265,74.065 30.7,74.5 31.2,74.5 33.4,72.3 33.4,64.4 40,57.8 41.1,57.8 41.575,57.325 U10.10@41.575,55.85
MCU_SCL: J3.4 R18.1 U10.20 U12.4 U15.9 U16.2 U18.5 | length 117.9
  L1 w0.203: v1(42.2,23) U16.2@42.2,23.8 ; U10.20@47.4,49.6 47.4,50.2 47.8,50.6 R18.1@49.175,50.6 49.175,49.225 49.5,48.9 50.8,47.6 v1(52,47.6) ; v1(54.9,72.5) J3.4@54.9,74.6 ; v1@56.225,19.775 U18.5@56.225,20.7 ; U15.9@57.6,49.95 v1(57.6,51.1) ; v1(83.2,49.8) U12.4@84.1,49.8
  L4 w0.203: v1(48.5,50.6) 51.5,53.6 51.5,70.2 53.8,72.5 v1@54.8,72.5 ; v1@56.162,19.762 53.925,22 43.2,22 v1(42.2,23) 40.471,24.729 40.471,33.471 52,45 v1(52,47.6) 52.7,48.3 52.7,48.9 54.9,51.1 v1(57.6,51.1) 74.7,51.1 76.6,49.2 82.6,49.2 v1(83.2,49.8) ; v1@83.25,49.75 v1@83.3,49.8
  other v1: 56.225,19.7
MCU_SDA: J3.3 R17.1 U10.1 U12.5 U15.10 U16.1 U18.6 | length 127.8
  L1 w0.203: U16.1@41.6,23.6 41.4,23.4 41.4,22.7 v1(41.7,22.4) ; U10.1@47.425,55.85 47.425,51.875 47.8,51.5 v1(48.5,51.5) R17.1@49.1,51.5 ; R17.1@49.175,51.5 49.7,50.975 49.7,49.7 50.9,48.5 v1(52,48.5) ; J3.3@55.875,74.225 55.9,74.2 v1(55.9,73.2) ; v1(56.8,51.7) 56.8,51.1 57.1,50.8 U15.10@57.1,49.95 ; v1(56.875,19) 56.875,20.475 U18.6@56.9,20.5 ; v1(82.3,49.8) 82.3,48 83.1,47.2 U12.5@84.024,47.2
  L4 w0.203: v1(48.5,51.5) 50.9,53.9 50.9,70.5 53.6,73.2 v1(55.9,73.2) ; v1(56.875,19) 55.9,19 53.5,21.4 42.7,21.4 v1(41.7,22.4) 39.729,24.371 39.729,33.629 51.4,45.3 51.4,47.9 v1(52,48.5) 52,49.2 54.5,51.7 v1(56.8,51.7) 75,51.7 76.9,49.8 v1(82.3,49.8)
MCU_TXD: U5.3 U10.9 | length 26.9
  L1 w0.203: U5.3@28.9,75.335 30.265,75.335 30.7,74.9 31.4,74.9 33.8,72.5 33.8,64.6 40.2,58.2 41.4,58.2 42.225,57.375 U10.9@42.225,55.85
NetC5_2: C5.2 U2.3 | length 4.4
  L1 w0.203: U2.3@63.25,55.9 63.25,54.95 63.675,54.525 C5.2@66.5,54.525
NetC6_1: C6.1 D3.2 L1.1 U1.6 | length 11.5
  L1 w0.203: C6.1@69.3,67.925 70.225,67.925 U1.6@70.6,68.3
  L1 w0.508: L1.1@64.8,68 67.1,68 68.168,69.068 D3.2@68.168,71.1 69.4,71.1 70.75,69.75 U1.6@70.75,68.71
NetC6_2: C6.2 D1.2 U1.1 | length 4.4
  L1 w0.203: D1.2@68.3,64.7 69.3,65.7 C6.2@69.3,66.875 70.225,66.875 70.6,66.5 U1.1@70.6,66.1
NetC10_2: C10.2 U6.3 | length 4.3
  L1 w0.203: U6.3@70.75,55.9 70.75,55.05 71.275,54.525 C10.2@74,54.525
NetC18_2: C18.2 R10.2 U4.2 | length 6.7
  L1 w0.203: v1(17.3,65.2) 17.377,65.2 17.925,65.748 U4.2@17.925,66.425
  L1 w0.254: C18.2@18.1,63.6 18.125,63.575 R10.2@18.125,62.725 ; v1(18.125,62.1) R10.2@18.125,62.7 R10.2@18.125,62.725 ; R10.2@18.2,62.8 R10.2@18.125,62.725
  L4 w0.203: v1(17.3,65.2) 17.3,62.9 18.1,62.1 v1@18.1,62
NetC19_2: C19.2 L2.1 Q1.2 | length 4.2
  L1 w0.508: Q1.2@83.175,68.725 Q1.2@83.2,68.7
  L1 w0.635: L2.1@79.1,68.7 L2.1@79.175,68.7 L2.1@79.4,68.7 ; C19.2@80.6,68.7 80.625,68.725 C19.2@80.663,68.763 ; C19.2@80.8,68.6 C19.2@80.868,68.532
  L1 w0.889: C19.2@80.7,68.725 Q1.2@83.175,68.725
  L1 w1.143: L2.1@79.4,68.7 79.425,68.725 C19.2@80.625,68.725
NetC21_2: C21.2 C29.2 C30.2 L3.1 L4.2 R21.2 TP1.1 | length 56.2
  L1 w0.203: R21.2@90.2,49.825 90.2,50.4 v1(90.2,50.5)
  L1 w0.254: v1@90.1,50.5 v1@90.2,50.4
  L1 w0.508: C29.2@79.1,33.8 v1(79.8,33.8)
  L1 w0.635: L3.1@66.1,28.8 L3.1@66.175,28.725 ; C21.2@67.5,28.8 C21.2@67.55,28.75
  L1 w1.143: L3.1@66.3,28.725 C21.2@67.6,28.725 76.125,28.725 79,31.6 ; L4.2@73.8,35.15 79.025,35.15 C29.2@79.025,33.8 79.025,31.625
  L4 w0.254: TP1.1@83,30 81.6,30 79.8,31.8 v1(79.8,33.8) 79.8,36.1 80.2,36.5 88.6,36.5 90.2,38.1 v1(90.2,50.5)